# Allegro board 1010260-900-0012_PCB_Rev-a.brd (continued)
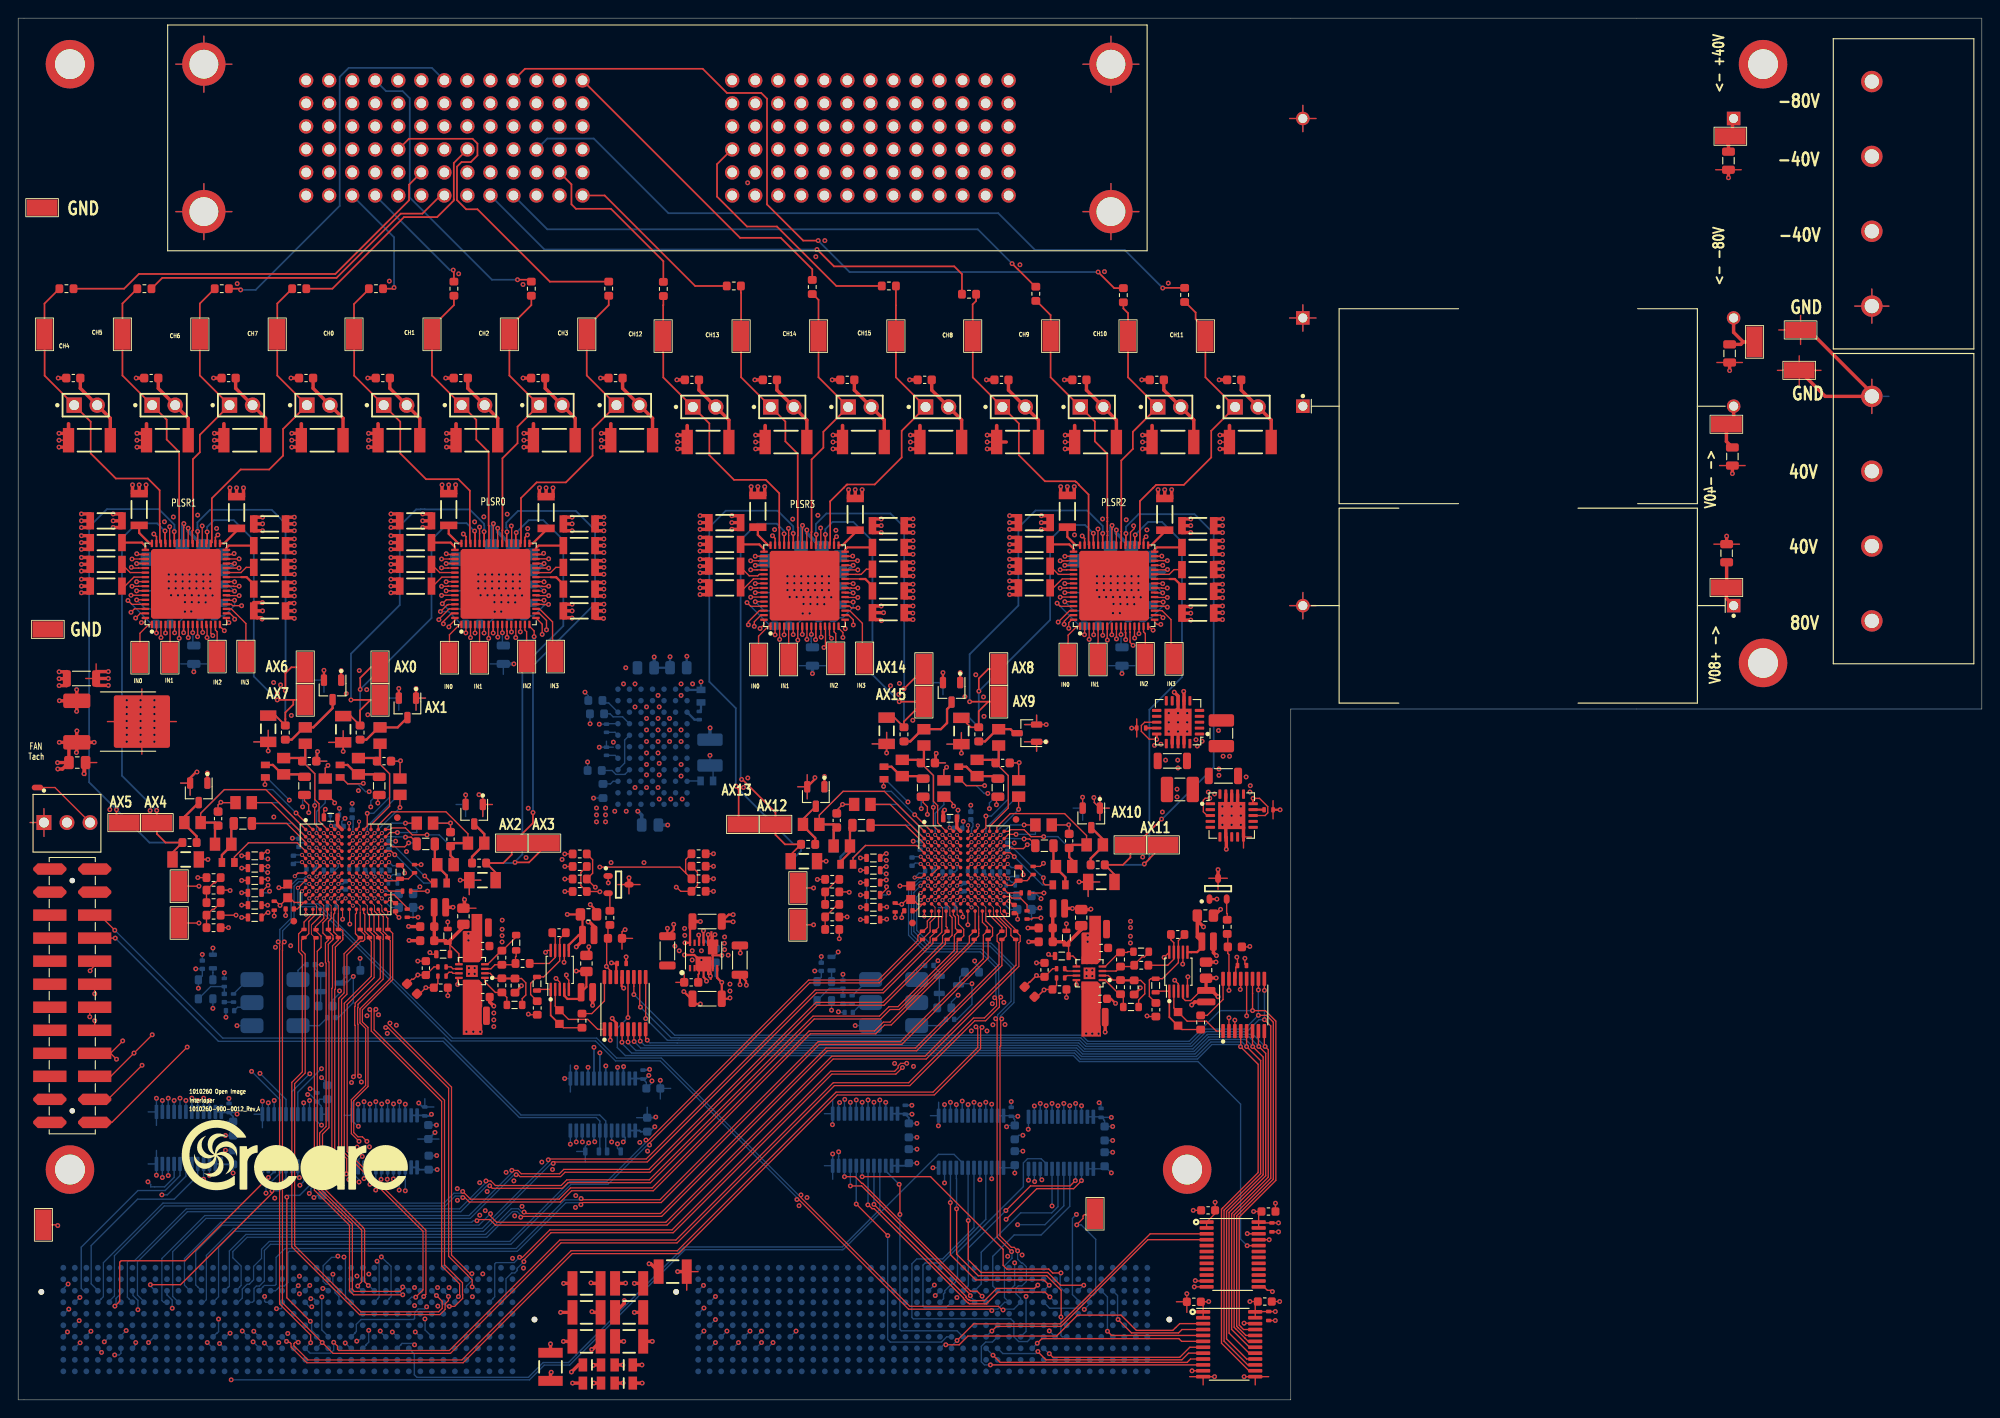
[diagram p0: board, top side]
## Routing (per net, layer and track width the routed paths; a pad name or vN(x,y) marks a point on that pad's centre or on a via; arc(x,y) is an arc through that point) (continued)
  TOP w0.381: v1(61.08,97.36) 60.12,97.36 C170.1 ; v1(26.94,87.93) 25.99,87.93 C148.2 ; C184.1 25.99,97.36 v1(26.95,97.36) ; C184.1 v1(26.95,96.62) ; C184.1 25.99,95.86 v1(26.95,95.86) ; v1(95.17,87.56) 94.2,87.56 C186.2 ; C298.1 v1(111.43,50.52) ; v1(44.61,96.22) 45.58,96.22 C154.2 ; U41.18 U41.21 ; U41.21 135.12,63.15 U41.10 ; U41.21 134.47,65.1 U41.17 ; U41.21 133.17,65.1 U41.19 ; U41.21 v1(133.81,64.44) 133.17,63.8 U41.7 133.22,62.03 v1(133.22,60.73) ; TP58.1 197.43,118.01 204.75,110.68 J21.4 199.26,110.68 TP57.1 ; v1(52.45,43.43) 51.99,43.89 C272.2 ; R181.1 v1(21.64,105.84) ; v1(63.35,43.52) C278.2 ; v1(10.48,96.22) 11.45,96.22 C149.2 ; v1(67.36,57.58) 67.36,57.48 67.36,57.48 U20.3 ; v1(44.61,97.71) 45.58,97.71 C154.2 ; v1(72.64,112.5) C219.2 ; U44.21 128.55,74.09 U44.19 ; U44.21 128.55,75.39 U44.7 128.55,78.11 v1(128.52,78.14) ; U44.21 v1(127.89,74.73) 127.25,74.09 U44.17 ; U44.21 127.78,74.87 127.78,76.11 127.9,76.11 U44.8 127.9,77.63 v1(127.48,78.05) ; U44.21 U44.18 ; v1(112.83,96.02) 113.8,96.02 C206.2 ; C203.1 128.33,95.66 v1(129.3,95.66) ; C203.1 v1(129.3,96.42) ; C203.1 128.33,97.16 v1(129.3,97.16) ; v1(61.07,86.23) 61.05,86.26 60.12,86.26 C153.2 ; R204.1 v1(188.39,95.27) ; v1(61.08,95.86) 60.12,95.86 C170.1 ; C17.2 v1(66.67,3.85) ; 133.57,104.88 v1(132.52,104.88) ; v1(129.41,43.56) 129.74,43.89 C276.2 ; C153.2 v1(61.08,87.02) ; C153.2 60.12,87.76 v1(61.08,87.76) ; R205.1 v1(188.59,134.79) ; v1(106.77,112.5) C215.2 ; 48.29,105.08 v1(47.23,105.08) ; C277.2 49.23,54.36 v1(49.23,55.18) ; v1(98.3,112.5) C222.2 ; v1(123.9,112.5) C217.2 ; 65.35,105.08 v1(64.3,105.08) ; 73.78,106.41 v1(72.72,106.41) ; C20.2 66.83,10.66 v1(66.83,10.95) ; C187.2 79.66,97.52 v1(78.7,97.52) ; C187.2 v1(78.7,96.76) ; C187.2 79.66,96.02 v1(78.7,96.02) ; v1(132.43,112.5) C218.2 ; C148.2 v1(26.95,87.02) ; C148.2 25.99,86.64 26.37,86.26 26.76,86.26 v1(26.9,86.13) ; C241.2 v1(119.86,40.56) ; v1(95.19,85.95) 95.07,86.06 94.58,86.06 94.2,86.44 C186.2 ; C1.2 63.48,1.85 v1(63.47,1.85) ; C2.2 63.46,3.85 v1(63.42,3.81) ; C205.2 128.33,86.01 v1(129.3,86.01) ; C205.2 128.33,87.51 v1(129.3,87.51) ; C205.2 v1(129.3,86.77) ; C264.1 94.2,95.66 v1(95.17,95.66) ; C264.1 v1(95.17,96.42) ; C264.1 94.2,97.16 v1(95.17,97.16) ; v1(55.68,112.7) C209.2 ; v1(4.42,112.7) C211.2 ; C3.2 63.35,9.65 v1(63.27,9.73) ; v1(13.02,112.7) C212.2 ; C5.2 63.22,12.85 v1(63.17,12.9) ; C186.2 v1(95.43,86.82) ; C294.1 43.08,52.2 v1(43.05,52.22) ; v1(112.83,97.52) 113.8,97.52 C206.2 ; v1(132.13,49) 131.8,49.33 C274.2 ; C229.2 7.26,70.12 v1(7.26,69.06) ; C206.2 v1(112.83,96.76) ; C154.2 v1(44.61,96.95) ; C170.1 v1(61.08,96.62) ; v1(30.09,112.7) C214.2 ; v1(89.77,112.5) C221.2 ; 39.69,105.08 v1(38.64,105.08) ; v1(63.25,5.56) 63.33,5.56 C4.2 ; v1(132.59,54.1) 131.9,53.42 C273.2 ; v1(66.98,12.88) 66.95,12.85 C22.2 ; v1(102.16,65.05) 102,64.9 102,64.15 R158.1 ; 107.91,104.88 v1(106.86,104.88) ; v1(66.78,6.45) 66.78,6.45 C19.2 ; 5.56,105.08 v1(4.51,105.08) ; 14.15,105.08 v1(13.1,105.08) ; 31.22,105.08 v1(30.17,105.08) ; C293.2 v1(47.95,54.33) ; v1(43.1,50.67) 43.13,50.65 C295.1 ; 99.44,106.41 v1(98.39,106.41) ; 82.37,106.41 v1(81.32,106.41) ; 90.91,106.41 v1(89.86,106.41) ; v1(115.36,112.5) C216.2 ; 5.56,106.61 v1(4.51,106.61) ; C149.2 11.45,97.71 v1(10.48,97.71) ; C149.2 v1(10.48,96.95) ; 116.5,106.41 v1(115.45,106.41) ; 8.6,78.8 v1(9.94,78.8) ; C18.2 66.7,1.85 v1(66.7,1.85) ; 48.29,106.61 v1(47.23,106.61) ; 14.15,106.61 v1(13.1,106.61) ; 22.69,106.61 v1(21.64,106.61) ; R207.1 v1(188.72,113.53) ; C296.2 118.24,54.08 v1(118.29,54.13) ; R206.1 v1(189.03,102.16) ; 90.91,104.88 v1(89.86,104.88) ; C243.2 63.5,52.21 62.99,52.72 v1(62.85,52.72) ; v1(64.22,112.7) C210.2 ; C275.2 v1(132.08,48.29) ; v1(132.31,58.48) U33.3 ; 22.69,105.08 v1(21.64,105.08) ; v1(58.78,3.05) 58.7,2.97 C21.2 ; C6.2 v1(72.72,14.15) ; v1(81.23,112.5) C220.2 ; 133.57,106.41 v1(132.52,106.41) ; 107.91,106.41 v1(106.86,106.41) ; 56.82,105.08 v1(55.77,105.08) ; 116.5,104.88 v1(115.45,104.88) ; 56.82,106.61 v1(55.77,106.61) ; 73.78,104.88 v1(72.72,104.88) ; v1(47.15,112.7) C208.2 ; C299.1 v1(111.35,52.04) ; 65.35,106.61 v1(64.3,106.61) ; 125.04,106.41 v1(123.99,106.41) ; 39.69,106.61 v1(38.64,106.61) ; 82.37,104.88 v1(81.32,104.88) ; 125.04,104.88 v1(123.99,104.88) ; v1(9.94,79.57) C228.2 ; v1(21.55,112.7) C213.2 ; C297.2 v1(116.26,54.2) ; v1(38.55,112.7) C207.2 ; 31.22,106.61 v1(30.17,106.61) ; 99.44,104.88 v1(98.39,104.88) ; R187.1 108.96,105.65 ; 8.7,80.33 v1(9.94,80.33)
  TOP w0.406: 65.35,107.65 65.35,106.61 ; 14.15,107.65 14.15,106.61 ; R203.1 99.44,104.88 ; 116.5,107.45 116.5,106.41 ; 90.91,107.45 90.91,106.41 ; 73.78,107.45 73.78,106.41 ; 5.56,107.65 5.56,106.61 ; 99.44,107.45 99.44,106.41 ; R173.1 56.82,105.08 ; 82.37,107.45 82.37,106.41 ; R181.1 22.69,105.08 ; 31.22,107.65 31.22,106.61 ; R202.1 90.91,104.88 ; R187.1 107.91,104.88 ; R179.1 5.56,105.08 ; R190.1 133.57,104.88 ; R189.1 125.04,104.88 ; 56.82,107.65 56.82,106.61 ; 22.69,107.65 22.69,106.61 ; 39.69,107.65 39.69,106.61 ; R182.1 31.22,105.08 ; 133.57,107.45 133.57,106.41 ; 125.04,107.45 125.04,106.41 ; R180.1 14.15,105.08 ; 48.29,107.65 48.29,106.61 ; R174.1 65.35,105.08 ; R171.1 39.69,105.08 ; 107.91,107.45 107.91,106.41 ; R172.1 48.29,105.08 ; R200.1 73.78,104.88 ; R188.1 116.5,104.88 ; R201.1 82.37,104.88
  L2 - GND w0.152: J23.1 2.84,64.96 ; J23.1 4.13,63.68 ; J23.1 1.56,63.68 ; J23.1 2.84,62.4 ; 88.9,131.59 J4.U1 ; J4.U1 87.64,132.84 ; J4.U1 88.9,134.09 ; J4.U1 90.15,132.84 ; J21.4 204.4,112.33 ; J21.4 204.4,109.04 ; J21.4 202.76,110.68 ; J21.4 206.05,110.68 ; J4.F6 45.71,145.54 ; J4.F6 43.2,145.54 ; J4.F6 44.46,144.29 ; J4.F6 44.46,146.79 ; 140.46,87.6 C247.2 ; C247.2 141.66,88.81 ; C247.2 142.87,87.6 ; C247.2 141.66,86.39 ; J4.R3 82.53,137.92 ; J4.R3 81.28,136.67 ; J4.R3 80.02,137.92 ; J4.R3 81.28,139.17 ; 58.44,132.84 J4.M1 ; J4.M1 59.7,131.59 ; J4.M1 59.7,134.09 ; J4.M1 60.95,132.84 ; 140.45,119.33 C249.1 ; C249.1 141.66,120.54 ; C249.1 142.87,119.33 ; C249.1 141.66,118.12 ; J4.X3 97.77,137.92 ; J4.X3 96.52,139.17 ; J4.X3 95.26,137.92 ; J4.X3 96.52,136.67 ; 36.84,136.67 J4.C3 ; J4.C3 38.09,137.92 ; J4.C3 35.58,137.92 ; J4.C3 36.84,139.17 ; C246.2 142.87,141.33 ; C246.2 141.66,142.54 ; C246.2 140.45,141.33 ; C246.2 141.66,140.12 ; 17.63,147.32 J4.MT1 ; J4.MT1 20.48,144.48 ; J4.MT1 23.32,147.32 ; J4.MT1 20.48,150.16 ; J4.MT2 23.32,131.06 ; J4.MT2 20.48,128.22 ; J4.MT2 20.48,133.9 ; J4.MT2 17.63,131.06 ; J4.MT4 123.34,131.06 ; J4.MT4 120.5,128.22 ; J4.MT4 117.65,131.06 ; J4.MT4 120.5,133.9 ; 87.64,145.54 J4.U6 ; J4.U6 90.15,145.54 ; J4.U6 88.9,146.79 ; J4.U6 88.9,144.29 ; 117.65,147.32 J4.MT3 ; J4.MT3 123.34,147.32 ; J4.MT3 120.5,150.16 ; J4.MT3 120.5,144.48 ; J22.1 206.05,120.64 ; J22.1 204.4,122.28 ; J22.1 202.76,120.64 ; J22.1 204.4,118.99 ; 59.7,144.29 J4.M6 ; J4.M6 59.7,146.79 ; J4.M6 58.44,145.54 ; J4.M6 60.95,145.54 ; 104.14,144.29 J4.AA6 ; J4.AA6 105.39,145.54 ; J4.AA6 104.14,146.79 ; J4.AA6 102.88,145.54 ; 43.2,132.84 J4.F1 ; J4.F1 45.71,132.84 ; J4.F1 44.46,131.59 ; J4.F1 44.46,134.09 ; 104.14,131.59 J4.AA1 ; J4.AA1 105.39,132.84 ; J4.AA1 104.14,134.09 ; J4.AA1 102.88,132.84 ; J4.J3 52.08,139.17 ; J4.J3 52.08,136.67 ; J4.J3 53.33,137.92 ; J4.J3 50.82,137.92
  L3 - SIG1 w0.152: 204.4,108.8 J21.4 ; J21.4 206.29,110.68 ; J21.4 202.52,110.68 ; J21.4 204.4,112.57 ; 20.48,144.24 J4.MT1 ; J4.MT1 23.56,147.32 ; J4.MT1 20.48,150.4 ; J4.MT1 17.39,147.32 ; 17.39,131.06 J4.MT2 ; J4.MT2 20.48,134.14 ; J4.MT2 20.48,127.98 ; J4.MT2 23.56,131.06 ; 141.66,139.88 C246.2 ; C246.2 141.66,142.78 ; C246.2 143.11,141.33 ; C246.2 140.21,141.33 ; 204.4,118.75 J22.1 ; J22.1 202.52,120.64 ; J22.1 204.4,122.52 ; J22.1 206.29,120.64 ; 2.84,62.15 J23.1 ; J23.1 1.32,63.68 ; J23.1 2.84,65.2 ; 120.5,144.24 J4.MT3 ; J4.MT3 120.5,150.4 ; J4.MT3 117.41,147.32 ; J4.MT3 123.58,147.32 ; 141.66,86.15 C247.2 ; C247.2 140.22,87.6 ; C247.2 141.66,89.05 ; C247.2 143.11,87.6 ; J4.MT4 120.5,134.14 ; J4.MT4 120.5,127.98 ; J4.MT4 123.58,131.06 ; J4.MT4 117.41,131.06 ; C249.1 141.66,120.78 ; C249.1 143.11,119.33 ; C249.1 141.66,117.88 ; C249.1 140.21,119.33
  L4 - POWER/GND w0.152: J22.1 206.05,120.64 ; J22.1 202.76,120.64 ; J22.1 204.4,122.28 ; J22.1 204.4,118.99 ; 87.64,132.84 J4.U1 ; J4.U1 88.9,131.59 ; J4.U1 88.9,134.09 ; J4.U1 90.15,132.84 ; 58.44,145.54 J4.M6 ; J4.M6 60.95,145.54 ; J4.M6 59.7,144.29 ; J4.M6 59.7,146.79 ; J4.F1 45.71,132.84 ; J4.F1 44.46,134.09 ; J4.F1 44.46,131.59 ; J4.F1 43.2,132.84 ; J23.1 2.84,64.96 ; J23.1 1.56,63.68 ; J23.1 2.84,62.4 ; J23.1 4.13,63.68 ; J4.MT2 23.32,131.06 ; J4.MT2 20.48,133.9 ; J4.MT2 20.48,128.22 ; J4.MT2 17.63,131.06 ; J21.4 204.4,112.33 ; J21.4 204.4,109.04 ; J21.4 202.76,110.68 ; J21.4 206.05,110.68 ; C247.2 141.66,88.81 ; C247.2 141.66,86.39 ; C247.2 140.46,87.6 ; C247.2 142.87,87.6 ; J4.M1 60.95,132.84 ; J4.M1 59.7,134.09 ; J4.M1 58.44,132.84 ; J4.M1 59.7,131.59 ; 102.88,132.84 J4.AA1 ; J4.AA1 104.14,134.09 ; J4.AA1 105.39,132.84 ; J4.AA1 104.14,131.59 ; 96.52,136.67 J4.X3 ; J4.X3 97.77,137.92 ; J4.X3 95.26,137.92 ; J4.X3 96.52,139.17 ; 52.08,136.67 J4.J3 ; J4.J3 50.82,137.92 ; J4.J3 53.33,137.92 ; J4.J3 52.08,139.17 ; 17.63,147.32 J4.MT1 ; J4.MT1 20.48,144.48 ; J4.MT1 23.32,147.32 ; J4.MT1 20.48,150.16 ; 43.2,145.54 J4.F6 ; J4.F6 44.46,144.29 ; J4.F6 45.71,145.54 ; J4.F6 44.46,146.79 ; 117.65,131.06 J4.MT4 ; J4.MT4 120.5,133.9 ; J4.MT4 123.34,131.06 ; J4.MT4 120.5,128.22 ; 36.84,136.67 J4.C3 ; J4.C3 38.09,137.92 ; J4.C3 36.84,139.17 ; J4.C3 35.58,137.92 ; 81.28,136.67 J4.R3 ; J4.R3 81.28,139.17 ; J4.R3 82.53,137.92 ; J4.R3 80.02,137.92 ; J4.MT3 120.5,150.16 ; J4.MT3 117.65,147.32 ; J4.MT3 120.5,144.48 ; J4.MT3 123.34,147.32 ; J4.U6 88.9,146.79 ; J4.U6 87.64,145.54 ; J4.U6 88.9,144.29 ; J4.U6 90.15,145.54 ; C249.1 142.87,119.33 ; C249.1 140.45,119.33 ; C249.1 141.66,118.12 ; C249.1 141.66,120.54 ; 141.66,140.12 C246.2 ; C246.2 142.87,141.33 ; C246.2 141.66,142.54 ; C246.2 140.45,141.33 ; J4.AA6 104.14,146.79 ; J4.AA6 105.39,145.54 ; J4.AA6 104.14,144.29 ; J4.AA6 102.88,145.54
  L7 - GND w0.152: J4.F6 45.71,145.54 ; J4.F6 44.46,144.29 ; J4.F6 44.46,146.79 ; J4.F6 43.2,145.54 ; J4.M6 60.95,145.54 ; J4.M6 58.44,145.54 ; J4.M6 59.7,144.29 ; J4.M6 59.7,146.79 ; 104.14,144.29 J4.AA6 ; J4.AA6 104.14,146.79 ; J4.AA6 105.39,145.54 ; J4.AA6 102.88,145.54 ; J4.F1 45.71,132.84 ; J4.F1 44.46,131.59 ; J4.F1 43.2,132.84 ; J4.F1 44.46,134.09 ; 17.63,131.06 J4.MT2 ; J4.MT2 20.48,133.9 ; J4.MT2 20.48,128.22 ; J4.MT2 23.32,131.06 ; 104.14,131.59 J4.AA1 ; J4.AA1 105.39,132.84 ; J4.AA1 102.88,132.84 ; J4.AA1 104.14,134.09 ; 140.46,87.6 C247.2 ; C247.2 141.66,88.81 ; C247.2 142.87,87.6 ; C247.2 141.66,86.39 ; J4.J3 53.33,137.92 ; J4.J3 52.08,136.67 ; J4.J3 50.82,137.92 ; J4.J3 52.08,139.17 ; J22.1 206.05,120.64 ; J22.1 204.4,122.28 ; J22.1 202.76,120.64 ; J22.1 204.4,118.99 ; 88.9,131.59 J4.U1 ; J4.U1 88.9,134.09 ; J4.U1 87.64,132.84 ; J4.U1 90.15,132.84 ; 1.56,63.68 J23.1 ; J23.1 2.84,64.96 ; J23.1 2.84,62.4 ; J23.1 4.13,63.68 ; C246.2 141.66,142.54 ; C246.2 140.45,141.33 ; C246.2 142.87,141.33 ; C246.2 141.66,140.12 ; J21.4 204.4,112.33 ; J21.4 206.05,110.68 ; J21.4 204.4,109.04 ; J21.4 202.76,110.68 ; J4.MT3 123.34,147.32 ; J4.MT3 120.5,150.16 ; J4.MT3 117.65,147.32 ; J4.MT3 120.5,144.48 ; 96.52,136.67 J4.X3 ; J4.X3 95.26,137.92 ; J4.X3 97.77,137.92 ; J4.X3 96.52,139.17 ; 81.28,136.67 J4.R3 ; J4.R3 81.28,139.17 ; J4.R3 80.02,137.92 ; J4.R3 82.53,137.92 ; 58.44,132.84 J4.M1 ; J4.M1 59.7,131.59 ; J4.M1 60.95,132.84 ; J4.M1 59.7,134.09 ; J4.MT1 23.32,147.32 ; J4.MT1 20.48,144.48 ; J4.MT1 20.48,150.16 ; J4.MT1 17.63,147.32 ; 141.66,118.12 C249.1 ; C249.1 142.87,119.33 ; C249.1 141.66,120.54 ; C249.1 140.45,119.33 ; 117.65,131.06 J4.MT4 ; J4.MT4 120.5,133.9 ; J4.MT4 120.5,128.22 ; J4.MT4 123.34,131.06 ; J4.U6 88.9,146.79 ; J4.U6 90.15,145.54 ; J4.U6 88.9,144.29 ; J4.U6 87.64,145.54 ; 35.58,137.92 J4.C3 ; J4.C3 36.84,139.17 ; J4.C3 36.84,136.67 ; J4.C3 38.09,137.92
  L8 - SIG4 w0.152: J4.MT1 23.56,147.32 ; J4.MT1 20.48,144.24 ; J4.MT1 17.39,147.32 ; J4.MT1 20.48,150.4 ; C247.2 141.66,89.05 ; C247.2 141.66,86.15 ; C247.2 140.22,87.6 ; C247.2 143.11,87.6 ; 141.66,139.88 C246.2 ; C246.2 143.11,141.33 ; C246.2 140.21,141.33 ; C246.2 141.66,142.78 ; J23.1 2.84,65.2 ; J23.1 1.32,63.68 ; J23.1 2.84,62.15 ; J4.MT4 120.5,134.14 ; J4.MT4 120.5,127.98 ; J4.MT4 117.41,131.06 ; J4.MT4 123.58,131.06 ; C249.1 143.11,119.33 ; C249.1 140.21,119.33 ; C249.1 141.66,120.78 ; C249.1 141.66,117.88 ; J22.1 206.29,120.64 ; J22.1 204.4,122.52 ; J22.1 202.52,120.64 ; J22.1 204.4,118.75 ; J21.4 206.29,110.68 ; J21.4 204.4,112.57 ; J21.4 204.4,108.8 ; J21.4 202.52,110.68 ; 17.39,131.06 J4.MT2 ; J4.MT2 20.48,127.98 ; J4.MT2 20.48,134.14 ; J4.MT2 23.56,131.06 ; J4.MT3 123.58,147.32 ; J4.MT3 120.5,150.4 ; J4.MT3 117.41,147.32 ; J4.MT3 120.5,144.24 ; v1(12.97,6.32) 12.93,6.32 12.78,6.17
  L9 - GND w0.152: 88.9,131.59 J4.U1 ; J4.U1 87.64,132.84 ; J4.U1 88.9,134.09 ; J4.U1 90.15,132.84 ; 117.65,147.32 J4.MT3 ; J4.MT3 120.5,150.16 ; J4.MT3 120.5,144.48 ; J4.MT3 123.34,147.32 ; 141.66,118.12 C249.1 ; C249.1 140.45,119.33 ; C249.1 141.66,120.54 ; C249.1 142.87,119.33 ; J4.R3 81.28,139.17 ; J4.R3 82.53,137.92 ; J4.R3 80.02,137.92 ; J4.R3 81.28,136.67 ; J4.MT2 23.32,131.06 ; J4.MT2 20.48,133.9 ; J4.MT2 20.48,128.22 ; J4.MT2 17.63,131.06 ; 1.56,63.68 J23.1 ; J23.1 2.84,62.4 ; J23.1 2.84,64.96 ; J23.1 4.13,63.68 ; 59.7,144.29 J4.M6 ; J4.M6 60.95,145.54 ; J4.M6 58.44,145.54 ; J4.M6 59.7,146.79 ; J4.MT1 23.32,147.32 ; J4.MT1 20.48,144.48 ; J4.MT1 17.63,147.32 ; J4.MT1 20.48,150.16 ; J21.4 204.4,112.33 ; J21.4 202.76,110.68 ; J21.4 204.4,109.04 ; J21.4 206.05,110.68 ; J4.J3 52.08,139.17 ; J4.J3 52.08,136.67 ; J4.J3 50.82,137.92 ; J4.J3 53.33,137.92 ; J4.AA1 104.14,134.09 ; J4.AA1 102.88,132.84 ; J4.AA1 104.14,131.59 ; J4.AA1 105.39,132.84 ; J4.F1 44.46,134.09 ; J4.F1 44.46,131.59 ; J4.F1 45.71,132.84 ; J4.F1 43.2,132.84 ; J4.C3 38.09,137.92 ; J4.C3 35.58,137.92 ; J4.C3 36.84,139.17 ; J4.C3 36.84,136.67 ; C247.2 142.87,87.6 ; C247.2 141.66,86.39 ; C247.2 140.46,87.6 ; C247.2 141.66,88.81 ; J4.MT4 120.5,133.9 ; J4.MT4 123.34,131.06 ; J4.MT4 120.5,128.22 ; J4.MT4 117.65,131.06 ; 87.64,145.54 J4.U6 ; J4.U6 88.9,146.79 ; J4.U6 90.15,145.54 ; J4.U6 88.9,144.29 ; J4.X3 97.77,137.92 ; J4.X3 96.52,136.67 ; J4.X3 96.52,139.17 ; J4.X3 95.26,137.92 ; J4.F6 44.46,146.79 ; J4.F6 43.2,145.54 ; J4.F6 45.71,145.54 ; J4.F6 44.46,144.29 ; J4.AA6 104.14,146.79 ; J4.AA6 104.14,144.29 ; J4.AA6 102.88,145.54 ; J4.AA6 105.39,145.54 ; 59.7,131.59 J4.M1 ; J4.M1 58.44,132.84 ; J4.M1 60.95,132.84 ; J4.M1 59.7,134.09 ; J22.1 206.05,120.64 ; J22.1 204.4,122.28 ; J22.1 204.4,118.99 ; J22.1 202.76,120.64 ; 140.45,141.33 C246.2 ; C246.2 141.66,140.12 ; C246.2 142.87,141.33 ; C246.2 141.66,142.54
  BOTTOM w0.152: 69.37,32.27 C284.1 68.2,31.12 ; 93.55,54.54 R149.1 ; R149.1 v1(92.88,55.69) ; R149.1 93.55,56.84 ; v1(12.97,6.32) 12.93,6.29 12.93,6.04 12.6,5.71 12.6,5.69 J3.C34 ; J4.MT2 23.56,131.06 ; J4.MT2 17.39,131.06 ; J4.MT2 20.48,127.98 ; J4.MT2 20.48,134.14 ; v2(103.52,56.71) 104.03,56.71 C141.1 ; R134.1 111.92,54.27 v1(112.66,54.27) ; R134.1 112.91,54.09 ; R134.1 111.74,52.88 ; C132.1 98.66,59.91 v2(99.52,59.91) ; 20.48,144.24 J4.MT1 ; J4.MT1 23.56,147.32 ; J4.MT1 17.39,147.32 ; J4.MT1 20.48,150.4 ; R152.1 v1(92.88,52.97) ; U5.12 v1(100.87,25.6) ; 48.3,65.67 D13.2 ; D13.2 v1(49.34,66.73) ; D13.2 49.34,64.34 ; 62.54,26.25 R213.1 ; R213.1 62.54,27.97 v1(62.92,28.35) ; R213.1 61.59,27.4 ; v1(44.44,54.28) 43.58,54.28 R56.1 ; v2(98.85,57.61) 99.33,58.09 99.82,58.09 100.02,58.3 C134.1 ; R56.1 43.55,53.1 ; R56.1 44.72,54.31 ; U3.11 112.06,24.1 v1(112.09,24.07) ; Y2.2 v1(89.69,42.98) ; R68.1 24.78,58.65 24.78,58.65 v1(24.65,58.65) ; C79.1 35.82,56.91 v2(35.31,56.91) ; 204.4,108.8 J21.4 ; J21.4 206.29,110.68 ; J21.4 204.4,112.57 ; J21.4 202.52,110.68 ; C59.1 33.02,70.59 v1(33.02,71.5) ; C59.1 32.88,71.63 ; C59.1 34.03,70.45 ; 51.02,57.32 R24.1 49.75,55.72 ; C120.1 102.08,69.48 v1(102.38,69.78) ; v1(37.52,30.18) 37.46,30.18 36.84,30.8 U8.13 ; 53.5,80.03 C150.1 52.07,81.17 ; J2.D35 v1(81.97,7.59) ; R70.1 25.34,57.08 ; R70.1 24.78,55.93 24.78,55.93 v1(24.65,55.93) ; R70.1 25.34,54.78 ; C99.1 115.82,63.41 v1(115.84,63.43) 115.89,63.38 C109.1 ; v2(31.31,60.11) 30.44,60.11 C77.1 ; C279.1 v1(110.79,27.43) ; U7.12 v1(26.3,25.77) ; U7.12 26.93,24.28 ; U7.12 26.93,27.25 ; v2(33.71,55.31) 34.1,54.91 C78.2 ; 17.94,81.17 C172.1 20.81,81.17 ; J22.1 204.4,122.52 ; J22.1 204.4,118.75 ; J22.1 206.29,120.64 ; J22.1 202.52,120.64 ; U4.11 90.47,26.85 90.48,26.86 v1(90.48,27.36) ; v1(92.3,41.28) T2.1 ; R137.1 111.92,55.79 112.28,55.79 v1(112.79,55.28) ; 116.34,65.27 D5.2 ; D5.2 117.38,66.46 v1(117.37,66.47) ; D5.2 117.38,63.94 ; v1(111.38,29.84) 111.41,29.87 U3.13 ; v1(64.08,74.52) 64.09,74.53 R194.1 64.92,74.58 U40.D7 ; C85.2 v1(22.91,42.2) ; R78.1 24.78,57.29 24.78,57.29 v1(24.65,57.29) ; J4.MT4 120.5,134.14 ; J4.MT4 120.5,127.98 ; J4.MT4 117.41,131.06 ; J4.MT4 123.58,131.06 ; v1(44.3,56.59) 44.3,56.58 R58.1 ; R195.1 64.09,71.99 v1(64.08,71.98) ; R195.1 65.63,71.99 ; R195.1 64.87,72.65 ; 120.28,80.98 C252.1 123.15,80.98 ; U9.13 60.89,36.93 ; U9.13 v1(60.26,35.44) ; U9.13 60.89,33.96 ; C135.1 107.52,58.11 v2(107.52,57.51) ; C140.1 109.79,61.47 v1(109.84,61.42) ; v1(32.19,34.32) 32.5,34.32 C26.2 ; C280.2 v1(109.51,32.9) ; 88.91,25.82 U4.12 ; U4.12 89.82,24.34 ; U4.12 v1(89.82,27.13) ; C67.2 41.82,57.09 41.63,57.29 41.33,57.29 v2(40.91,57.71) 41.07,57.71 41.29,57.92 C73.2 ; 141.66,117.88 C249.1 ; C249.1 141.66,120.78 ; C249.1 140.21,119.33 ; C249.1 143.11,119.33 ; v1(60.89,28.2) 60.89,28.21 U9.12 ; v2(101.92,55.11) 102.38,54.65 C138.2 ; 141.66,86.15 C247.2 ; C247.2 141.66,89.05 ; C247.2 140.22,87.6 ; C247.2 143.11,87.6 ; v1(24.65,53.21) 24.78,53.21 24.78,53.21 R73.1 ; U6.11 v1(15.9,24.52) ; v1(42.16,70.48) 42.13,70.45 ; 42.13,70.45 C42.1 ; 42.13,70.45 42.11,70.43 C38.1 ; v1(63.45,66.37) 63.46,66.38 R139.1 ; R208.1 62.8,70.35 v1(62.79,70.36) ; v1(26.93,32.94) U7.13 ; U7.13 26.93,30.02 ; U7.13 26.03,31.51 ; C117.1 101.24,70.4 v1(101.24,71.3) ; C117.1 101.09,71.44 ; C117.1 102.25,70.25 ; C281.2 v1(120.69,28.61) ; 101.48,54.29 C138.2 ; C138.2 102.38,53.29 ; J4.MT3 123.58,147.32 ; J4.MT3 120.5,150.4 ; J4.MT3 117.41,147.32 ; J4.MT3 120.5,144.24 ; C131.2 109.49,57.73 109.45,57.69 109.3,57.69 v2(109.12,57.51) 109.55,57.09 109.75,57.09 109.94,56.89 C124.2 ; C36.1 22.05,65.61 v1(22.35,65.91) 22.4,65.87 C50.1 ; v1(24.65,60.01) 24.78,60.01 24.78,60.01 R75.1 ; v1(24.65,54.57) 24.78,54.57 24.78,54.57 R72.1 ; C244.1 104.21,63.16 v1(104.21,63.81) ; 40.93,77.4 D12.2 41.98,76.07 ; C145.2 90.52,42.73 v1(90.45,42.8) ; C88.1 35.89,63.3 35.69,63.5 35.69,63.78 v1(36.04,64.14) ; v2(105.12,59.11) 104.72,58.71 C133.1 ; C126.1 109.18,58.25 108.33,59.11 v2(108.32,59.11) ; 100.6,31.34 U5.13 ; U5.13 101.5,30.25 v1(101.47,30.23) ; U5.13 101.5,32.83 ; C125.1 103.31,58.22 103.52,58.44 v2(103.52,59.11) ; v1(34.16,69.98) 33.86,69.68 C62.1 ; 34.24,72.52 R16.1 35.84,73.8 ; v1(63.07,74.57) 63.05,74.59 R209.1 ; 44.85,33.21 C30.2 45.84,32.3 ; C81.1 41.58,61.67 v1(41.63,61.62) ; 43.88,76.07 D12.1 44.92,77.4 ; 33.72,78.05 D18.2 32.68,79.38 ; v1(118.62,66.43) 118.67,66.38 118.67,65.88 D5.1 ; Y1.2 v1(21.47,43.18) ; T1.1 v1(24.13,41.27) ; 27.57,73.85 R35.1 25.98,72.57 ; R157.1 v1(92.88,57.05) ; 87.01,66.29 D7.2 ; D7.2 87.01,68.95 ; D7.2 85.97,67.62 ; 112.3,71.54 D4.1 ; D4.1 110.97,72.58 ; D4.1 v1(113.36,72.58) ; D13.1 52.29,65.67 ; D13.1 51.24,66.39 50.88,66.75 v1(50.82,66.75) ; D13.1 51.24,64.34 ; v1(33.45,30.3) 33.37,30.3 32.78,30.89 U7.22 ; U8.12 36.84,25.04 37.06,24.82 37.25,24.63 37.56,24.31 37.56,24.06 37.59,24.03 v1(37.59,24.03) ; 100.93,79.11 D10.2 101.98,77.78 ; 15.25,30.28 U6.13 ; U6.13 v1(15.25,33.26) ; U6.13 14.35,31.76 ; v1(15.25,24.78) 15.25,24.78 U6.12 ; v1(33.45,35.54) 34.08,34.91 C28.2 ; 94.17,72.35 R114.1 95.77,73.62 ; D5.1 120.33,65.27 ; D5.1 119.28,66.6 ; D5.1 119.28,63.94 ; R212.1 66.09,27.75 v1(66.09,28.23) ; R151.1 v1(92.88,54.33) ; v1(32.61,22.33) 32.77,22.33 32.99,22.55 C25.1 ; 110.35,70.25 110.32,70.23 C96.1 ; 110.35,70.25 C100.1 ; 110.35,70.25 v1(110.38,70.29) ; R147.1 v1(92.88,58.41) ; R154.1 v1(92.88,59.77) ; 18.96,66.7 D15.2 17.92,68.03 ; v2(39.31,57.71) 39.31,58.3 C74.1 ; v1(11.91,7.65) 11.33,7.07 11.33,6.96 J3.D35 ; 140.21,141.33 C246.2 ; C246.2 141.66,142.78 ; C246.2 143.11,141.33 ; C246.2 141.66,139.88 ; 46.4,28.77 C286.2 44.07,28.77 ; C14.2 119.41,32.57 v1(119.2,32.78) ; v1(110.79,29.18) 110.35,29.18 110.15,28.98 110.15,28.96 109.92,28.73 C283.2 ; R74.1 v1(22.73,47.12) ; C87.2 v1(35.42,65.24) ; 88.91,31.56 U4.13 ; U4.13 89.82,33.05 ; U4.13 89.82,30.38 v1(89.79,30.35) ; v1(98.7,61.62) 98.72,61.6 C139.1 ; C51.1 v1(47.68,63.63) 47.62,63.63 47.61,63.61 C41.1 ; v1(30.24,61.95) 30.91,61.95 C80.1 ; U6.12 14.35,26.02 ; U6.12 15.25,27.51 ; C69.1 34.95,58.42 35.31,58.77 v2(35.31,59.31) ; U5.22 v1(107.35,32.61) ; C76.1 31.8,58.49 31.43,58.12 30.86,58.12 v2(30.51,57.76) ; C83.1 v1(20.31,49.12) ; U8.13 35.94,31.38 ; U8.13 36.84,32.86 ; U9.11 v1(61.54,28.45) ; v1(62.5,78.06) 62.5,78.02 62.87,77.66 R138.1 ; C75.1 36.5,58.9 v2(36.91,59.31) ; D4.2 112.3,75.53 ; D4.2 110.97,74.48 ; D4.2 v1(113.36,74.48) ; J23.1 2.84,65.2 ; J23.1 1.32,63.68 ; J23.1 2.84,62.15 ; J2.C34 v1(83.24,6.32) ; 86.15,80.98 C191.1 89.02,80.98 ; C94.1 90.26,65.03 v1(90.91,65.67) C108.1 ; v1(27.58,27.05) U7.11 ; 104.01,73.6 R95.1 102.41,72.32 ; R153.1 v1(90.95,46.94) ; v2(40.11,59.31) 40.74,58.68 40.77,58.68 40.97,58.47 C68.1 ; C142.1 v1(88.56,48.9) ; 119.26,57.12 R103.1 117.99,55.52 ; C13.1 v1(120.69,27.31) ; v1(37.95,26.85) 37.87,26.85 37.49,26.47 U8.11 ; U3.12 v1(111.41,24.23) ; C242.2 v1(103.64,65.04) ; C287.2 71.95,34.35 ; C287.2 v1(70.81,35.24) ; C287.2 70.81,33.19 ; U5.11 v1(102.15,23.93) ; U3.22 v1(117.26,32.44)
  BOTTOM w0.196: R24.1 v1(48.75,57.32) ; R86.1 v1(89.09,59.41) ; R95.1 v1(104.01,71.32) ; R7.1 v1(20.93,59.61) ; R16.1 v1(35.84,71.52) ; R35.1 v1(27.57,71.57) ; R114.1 v1(95.77,71.35) ; R103.1 v1(116.99,57.12)
  BOTTOM w0.203: C30.2 44.61,32.3 v1(44.17,32.74) ; U9.22 66.74,36.74 v1(66.76,36.76) ; v1(70.31,31.19) 70.24,31.12 C284.1 ; C27.2 22.87,29.15 v1(22.86,29.16) ; C285.2 69.31,36.37 69.39,36.46 v1(69.63,36.46) ; C16.2 v1(98.55,32.49) ; U6.22 v1(21.1,33.03) ; U8.22 v1(42.69,32.61) ; v1(22.86,27.53) 22.88,27.52 C23.1 ; C282.2 v1(99.1,28.95) ; v1(46.15,26.95) 46.13,26.93 C29.1 ; U4.22 v1(95.67,32.82) ; C15.1 v1(99.11,27.65) ; v1(23.24,33.25) 23.26,33.23 C24.2 ; v1(45.96,29.5) C286.2
  BOTTOM w0.254: v1(20.86,69.14) D15.1 ; v1(101.98,80.21) D10.2 ; v1(71.88,81.96) C225.2 70.14,80.75 70.14,80.75 ; v1(103.88,80.21) D10.1 ; v1(33.72,80.47) D18.2 ; v1(35.62,80.44) D18.1 ; v1(88.91,68.76) D7.1 ; v1(43.88,78.46) D12.1 ; v1(87.86,68.63) 87.86,68.47 D7.2 ; D15.2 18.96,68.6 19.62,69.25 v1(19.72,69.25) ; v1(41.98,78.46) D12.2
  BOTTOM w0.381: C191.1 v1(87.59,80.11) ; v1(71.63,63.4) 70.6,63.4 C223.2 ; v1(76.3,74.12) 76.29,74.1 C226.1 ; C224.2 70.14,80.75 v1(70.14,81.93) ; C172.1 v1(19.37,80.3) ; C252.1 v1(121.72,80.11) ; C150.1 v1(54.66,81.17)
  vias: v1(10.11,65.1) v1(11.98,77.17) v1(11.98,76.4) v1(11.98,75.64) v1(11.98,74.88) v1(11.98,74.12) v1(11.98,73.36) v1(11.98,72.59) v1(13.5,77.17) v1(13.5,76.4) v1(13.5,75.64) v1(13.5,74.88) v1(13.5,74.12) v1(13.5,73.36) v1(13.5,72.59) v1(14.55,65) v1(15.02,77.17) v1(15.02,76.4) v1(15.02,75.64) v1(15.02,74.88) v1(15.02,74.12) v1(15.02,73.36) v1(15.02,72.59) v1(16.13,96.85) v1(16.61,91.03) v1(16.61,90.27) v1(16.61,89.51) v1(16.87,88.75) v1(17.12,97.38) v1(17.37,91.03) v1(17.37,90.27) v1(17.37,89.51) v1(17.63,88.75) v1(18.14,91.03) v1(18.14,90.27) v1(18.14,89.51) v1(18.39,88.75) v1(18.39,87.99) v1(18.39,86.94) v1(18.9,91.03) v1(18.9,90.27) v1(18.9,89.51) v1(19.15,88.75) v1(19.15,87.99) v1(19.09,86.96) v1(19.66,91.03) v1(19.66,90.27) v1(19.66,89.51) v1(19.8,97.59) v1(19.91,88.72) v1(19.91,87.96) v1(20.42,91.03) v1(20.42,90.27) v1(20.42,89.51) v1(20.68,88.72) v1(20.68,87.96) v1(21.18,91.03) v1(21.18,90.27) v1(21.18,89.51) v1(21.44,88.72) v1(21.88,96.11) v1(24.16,123.11) v1(28.17,79.12) v1(28.19,64.29) v1(28.37,49.92) v1(28.3,22.25) v1(28.6,77.92) v1(28.74,6.32) v1(28.94,78.86) v1(29.73,7.32) v1(30.05,50.09) v1(30.12,75.49) v1(31.02,13.65) v1(31.02,11.69) v1(34.44,24.41) v1(35.43,26.17) v1(35.69,23.64) v1(36.18,77.9) v1(36.47,24.3) v1(36.76,35) v1(37.38,27.88) v1(37.36,13.65) v1(37.52,67.2) v1(37.62,80.44) v1(37.85,35.06) v1(38.44,78.34) v1(38.47,42.37) v1(38.56,75.56) v1(38.67,13.87) v1(38.74,27.91) v1(39.73,42.47) v1(40.7,40.42) v1(40.93,123.39) v1(41.71,41.33) v1(42.82,60.48) v1(43.71,12.39) v1(43.71,10.4) v1(46.25,12.39) v1(46.28,10.34) v1(47.52,12.39) v1(48.42,23.3) v1(48.44,22.01) v1(48.58,124.2) v1(49.71,46.99) v1(50.09,11.38) v1(50.33,96.84) v1(50.34,47.62) v1(50.34,46.99) v1(50.74,91.03) v1(50.74,90.27) v1(50.74,89.51) v1(50.9,23.95) v1(50.9,20.37) v1(51,88.75) v1(51.23,13.89) v1(51.35,97.4) v1(51.5,91.03) v1(51.5,90.27) v1(51.5,89.51) v1(51.5,20.87) v1(51.76,88.75) v1(51.72,22.98) v1(52.27,91.03) v1(52.27,90.27) v1(52.27,89.51) v1(52.45,42.67) v1(52.45,41.91) v1(52.45,41.17) v1(52.52,88.75) v1(52.52,87.99) v1(52.55,86.93) v1(53.03,91.03) v1(53.03,90.27) v1(53.03,89.51) v1(53.28,88.75) v1(53.28,87.99) v1(53.27,86.94) v1(53.38,52.91) v1(53.37,51.9) v1(53.37,51.2) v1(53.37,50.51) v1(53.79,91.03) v1(53.79,90.27) v1(53.79,89.51) v1(53.81,25.1) v1(53.93,97.69) v1(54.04,88.72) v1(54.04,87.96) v1(54.55,91.03) v1(54.55,90.27) v1(54.55,89.51) v1(54.52,15.61) v1(54.66,24.15) v1(54.75,20.3) v1(54.81,88.72) v1(54.81,87.96) v1(55.31,91.03) v1(55.31,90.27) v1(55.31,89.51) v1(55.57,88.72) v1(55.56,21.34) v1(55.67,123.02) v1(55.72,14.53) v1(56.01,59.81) v1(56.19,96.1) v1(56.25,65.26) v1(57.75,26.23) v1(58.92,25.41) v1(59.98,59.61) v1(61.45,21.23) v1(61.49,22.53) v1(65.38,59.26) v1(65.63,72.54) v1(68.02,76.43) v1(68.02,67.54) v1(68.55,28.4) v1(69.01,59.26) v1(69.29,76.43) v1(69.29,75.16) v1(69.29,73.89) v1(69.29,72.62) v1(69.29,71.35) v1(69.29,70.08) v1(69.29,68.94) v1(69.29,67.54) v1(69.4,27.44) v1(70.56,77.7) v1(70.56,75.16) v1(70.56,73.89) v1(70.56,72.62) v1(70.56,71.35) v1(70.56,67.54) v1(70.69,76.43) v1(70.69,70.21) v1(70.69,68.94) v1(70.69,66.27) v1(71.83,75.16) v1(71.83,73.89) v1(71.83,72.62) v1(71.96,66.27) v1(73.1,73.89) v1(73.1,72.62) v1(73.23,66.27) v1(74.32,49.53) v1(74.32,48.52) v1(75.34,49.53) v1(75.34,48.52) v1(79.98,67.55) v1(80.44,134.24) v1(80.46,68.59) v1(83.41,95.99) v1(84.83,90.84) v1(84.83,90.07) v1(84.83,89.31) v1(85.08,88.55) v1(85.41,97.14) v1(85.59,90.84) v1(85.59,90.07) v1(85.59,89.31) v1(85.84,88.55) v1(86.11,21.42) v1(86.35,90.84) v1(86.35,90.07) v1(86.35,89.31) v1(86.51,86.73) v1(86.61,88.55) v1(86.61,87.79) v1(86.98,22.32) v1(87.11,90.84) v1(87.11,90.07) v1(87.11,89.31) v1(87.28,86.74) v1(87.37,88.55) v1(87.37,87.79) v1(87.88,90.84) v1(87.88,90.07) v1(87.88,89.31) v1(87.96,126.09) v1(88.13,88.53) v1(88.13,87.76) v1(88.19,97.56) v1(88.64,90.84) v1(88.64,90.07) v1(88.64,89.31) v1(88.95,127.87) v1(88.89,88.53) v1(88.89,87.76) v1(89.4,90.84) v1(89.4,90.07) v1(89.4,89.31) v1(89.65,88.53) v1(90.17,95.91) v1(96.19,78.77) v1(96.65,37.1) v1(97.18,79.02) v1(97.12,77.81) v1(98.65,74.96) v1(98.73,36.78) v1(103.51,11.29) v1(104.4,77.56) v1(105.11,40.7) v1(105.6,79.98) v1(106.45,77.53) v1(106.5,75.39) v1(106.83,40.7) v1(107.42,43.7) v1(107.48,41.37) v1(108.69,43.84) v1(108.82,41.39) v1(109.12,15.84) v1(110.47,125.2) v1(110.71,15.98) v1(116.48,95.4) v1(117.81,47.38) v1(117.81,46.74) v1(118.45,47.38) v1(118.45,46.74) v1(118.96,90.84) v1(118.96,90.07) v1(118.96,89.31) v1(119.21,88.55) v1(119.58,97.16) v1(119.72,90.84) v1(119.72,90.07) v1(119.72,89.31) v1(119.79,124.44) v1(119.97,88.55) v1(120.48,90.84) v1(120.48,90.07) v1(120.48,89.31) v1(120.74,88.55) v1(120.72,86.77) v1(120.79,87.79) v1(121.24,90.84) v1(121.24,90.07) v1(121.24,89.31) v1(121.5,88.55) v1(121.55,87.79) v1(121.49,86.77) v1(122.01,90.84) v1(122.01,90.07) v1(122.01,89.31) v1(122.18,97.07) v1(122.26,88.53) v1(122.31,87.76) v1(122.66,52.78) v1(122.66,52.09) v1(122.65,51.14) v1(122.65,50.39) v1(122.77,90.84) v1(122.77,90.07) v1(122.77,89.31) v1(123.02,88.53) v1(123.07,87.76) v1(123.53,90.84) v1(123.53,90.07) v1(123.53,89.31) v1(123.78,88.53) v1(124,59.87) v1(124.47,95.95) v1(126.17,64.84) v1(126.82,123.17) v1(126.88,75.75) v1(126.88,74.73) v1(126.88,73.72) v1(127.86,70.56) v1(127.79,67.36) v1(127.79,66.5) v1(127.89,75.75) v1(127.89,73.72) v1(127.89,69.7) v1(128.91,75.75) v1(128.91,74.73) v1(128.91,73.72) v1(132.41,69.58) v1(132.41,68.88) v1(132.87,70.99) v1(132.79,64.44) v1(132.79,63.42) v1(133.58,70.99) v1(133.81,65.46) v1(133.81,63.42) v1(134.82,65.46) v1(134.82,64.44) v1(134.82,63.42)
